# Altium PCB S6.PcbDoc (part 5 of 14) (continued)
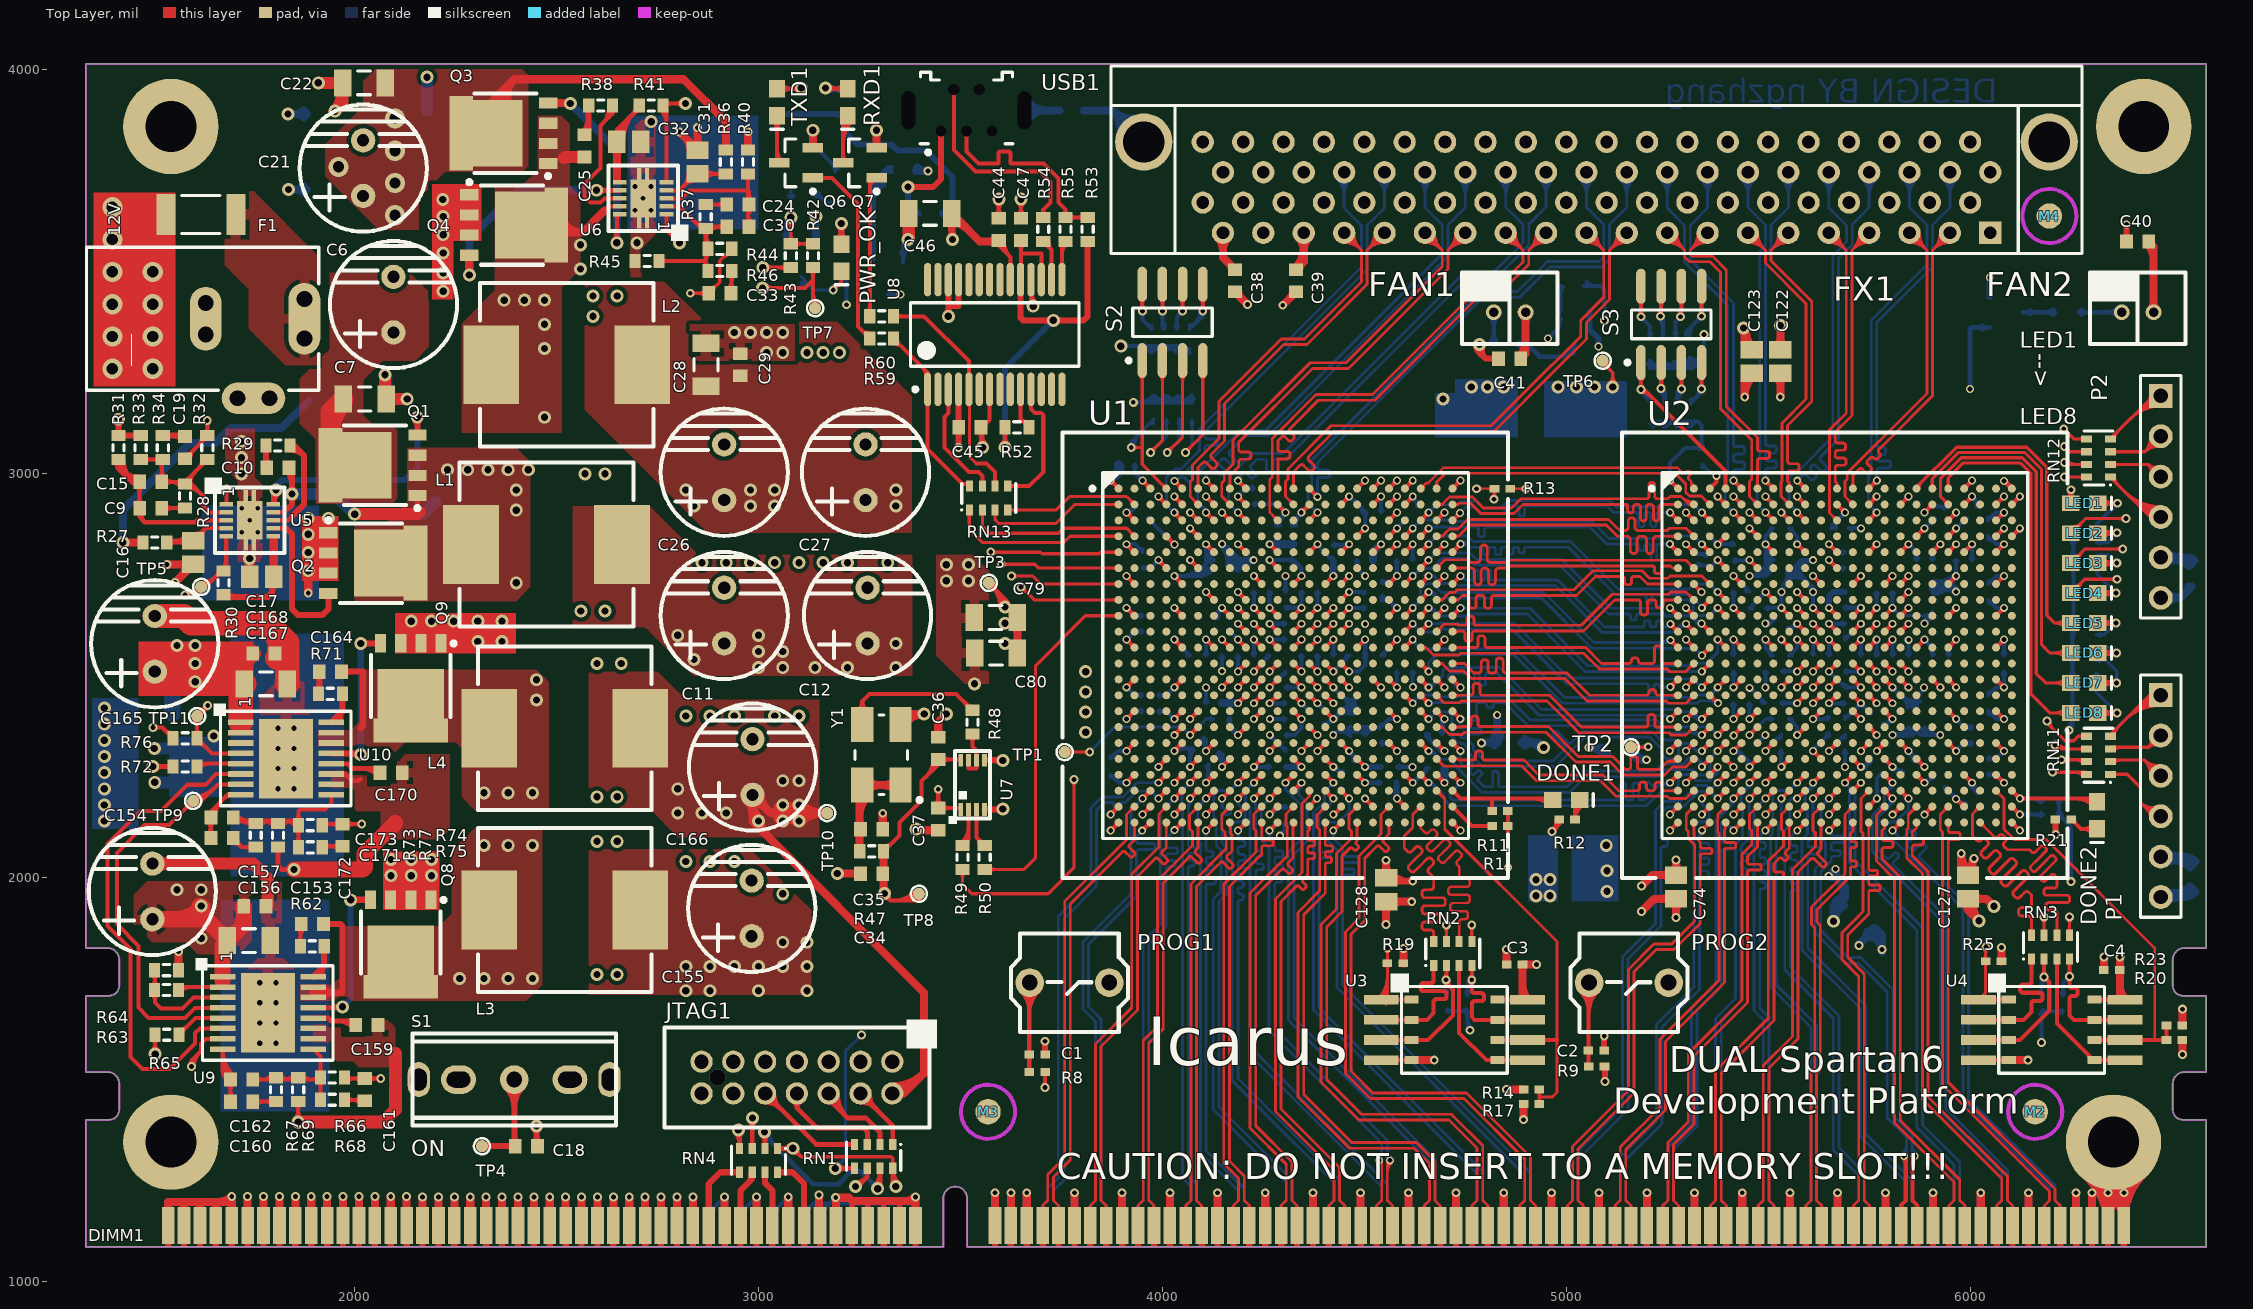
[diagram p0: Top Layer view]
## Nets (pads, with @x,y where several pads share a name; then routed paths per layer and width w, separated by ;. In a path a pad name is that pad's centre, name@x,y a point inside that pad or via, vN(x,y) a via of type N, cw(c..) or ccw(c..) an arc to the next point about the centre after c; other vN are vias at no path point) (continued)
FPGA1_B1_22_N: U1.U22 U2.V3 | length 1033.4
  Top Layer w10: U1.U22@4718.39,2328.62 cw(c4718.39,2316.93) 4726.65,2325.2 cw(c4734.92,2333.46) U1.U22@4723.23,2333.46 ; U1.U22@4718.39,2333.46 v1(4737.85,2314) ; v1@4733.01,2314 ccw(c4721.32,2314) 4729.58,2322.27 ccw(c4737.85,2330.53) v1@4737.85,2318.84 ; v1(5335.67,2274.41) U2.V3@5355.35,2294.09 ; v1@5335.67,2279.25 ccw(c5335.67,2290.94) 5343.94,2282.68 ccw(c5352.2,2274.41) v1@5340.51,2274.41 ; U2.V3@5350.51,2294.09 cw(c5338.82,2294.09) 5347.09,2285.83 cw(c5355.35,2277.56) U2.V3@5355.35,2289.25
  Bottom Layer w7: v1@4733.37,2309.52 cw(c4722.54,2298.69) 4737.85,2298.69 cw(c4753.16,2298.69) v1@4742.34,2309.52 ; v1(4737.85,2314) 4737.85,2284.15 4743.5,2278.5 4744.98,2277.02 ccw(c4748.45,2280.48) 4751.91,2277.02 4759.1,2284.2 cw(c4762.57,2280.74) 4766.03,2284.2 4769,2281.23 cw(c4765.54,2277.77) 4769,2274.3 4761.81,2267.12 ccw(c4765.28,2263.65) 4761.81,2260.19 4764,2258 4765.48,2256.52 ccw(c4768.95,2259.98) 4772.41,2256.52 4779.94,2264.04 cw(c4783.4,2260.57) 4786.87,2264.04 4789.84,2261.07 cw(c4786.37,2257.6) 4789.84,2254.14 4782.31,2246.62 ccw(c4785.78,2243.15) 4782.31,2239.69 4784,2238 4797,2225 4804,2225 4813.1,2225 ccw(c4813.1,2229.9) 4818,2229.9 4818,2258.1 cw(c4822.9,2258.1) 4822.9,2263 4827.1,2263 cw(c4827.1,2258.1) 4832,2258.1 4832,2229.9 ccw(c4836.9,2229.9) 4836.9,2225 4842,2225 5002,2225 5019,2242 5040.82,2263.82 5220.18,2263.82 5237.69,2281.34 5289.8,2281.34 5305.46,2297 5324,2297 ; v1@5329.55,2276.08 ccw(c5308.76,2281.76) 5324,2297 ; v1@5332.53,2279.92 ccw(c5329.44,2285.33) 5335.67,2285.33 ; 5332.53,2288.47 cw(c5322.15,2278.1) v1@5336.3,2274.24 ; v1(5335.67,2274.41) 5335.67,2285.33 ; v1@5338.81,2279.92 cw(c5341.9,2285.33) 5335.67,2285.33 ; 5324,2297 5335.67,2285.33
FPGA1_B1_22_P: U1.U20 U2.U4 | length 1041.8
  Top Layer w10: U1.U20@4639.65,2328.62 cw(c4639.65,2316.93) 4647.91,2325.2 cw(c4656.18,2333.46) U1.U20@4644.49,2333.46 ; U1.U20@4639.65,2333.46 v1(4659.33,2313.78) ; v1@4654.49,2313.78 ccw(c4642.8,2313.78) 4651.06,2322.05 ccw(c4659.33,2330.31) v1@4659.33,2318.62 ; v1(5375.04,2313.78) U2.U4@5394.72,2333.46 ; v1@5375.04,2318.62 ccw(c5375.04,2330.31) 5383.31,2322.05 ccw(c5391.57,2313.78) v1@5379.88,2313.78 ; U2.U4@5389.88,2333.46 cw(c5378.19,2333.46) 5386.46,2325.2 cw(c5394.72,2316.93) U2.U4@5394.72,2328.62
  Bottom Layer w7: v1@4659.33,2307.44 cw(c4659.33,2268.25) 4687.04,2295.96 ; v1(4659.33,2313.78) 4669.22,2313.78 ; v1@4659.33,2314.44 cw(c4659.33,2292.15) 4675.09,2307.91 ; v1@4665.1,2311.13 cw(c4669.22,2309.24) 4669.22,2313.78 ; v1@4665.1,2316.43 ccw(c4669.22,2318.32) 4669.22,2313.78 ; v1@5368.7,2313.78 cw(c5353.38,2313.78) 5364.21,2302.95 cw(c5375.04,2292.12) v1@5375.04,2307.44 ; v1(5375.04,2313.78) 5356.01,2294.75 5356.01,2265.98 5344.1,2254.07 5327.24,2254.07 5313.97,2267.34 5243.49,2267.34 5225.97,2249.82 5046.62,2249.82 5028.9,2232.1 5007.8,2211 4791.2,2211 4774.1,2228.1 4723.85,2278.35 4723.85,2280.51 4711.36,2293 4690,2293 4669.22,2313.78
FPGA1_B1_23_N: U1.V22 U2.Y1 | length 730
  Top Layer w7: U1.V22@4718.39,2294.09 4732,2294.09 ; U1.V22@4723.24,2290.01 cw(c4732,2282.66) 4732,2294.09 ; U1.V22@4723.24,2298.17 ccw(c4732,2305.53) 4732,2294.09 ; U2.Y1@5272.13,2210.87 ccw(c5261.3,2200.04) 5261.3,2215.35 ccw(c5261.3,2230.67) U2.Y1@5272.13,2219.84 ; U2.Y1@5276.61,2215.35 5245,2215.35 5243.3,2215.35 cw(c5243.3,2222.15) 5236.5,2222.15 5236.5,2229.55 ccw(c5229.7,2229.55) 5229.7,2236.35 5226.3,2236.35 ccw(c5226.3,2229.55) 5219.5,2229.55 5219.5,2222.15 cw(c5212.7,2222.15) 5212.7,2215.35 5207,2215.35 5205.3,2215.35 cw(c5205.3,2222.15) 5198.5,2222.15 5198.5,2229.79 ccw(c5191.7,2229.79) 5191.7,2236.59 5188.3,2236.59 ccw(c5188.3,2229.79) 5181.5,2229.79 5181.5,2222.15 cw(c5174.7,2222.15) 5174.7,2215.35 5159,2215.35 5129.65,2215.35 5091,2254 4932,2254 4895,2291 4802,2291 4799.3,2291 cw(c4799.3,2297.8) 4792.5,2297.8 4792.5,2307.06 ccw(c4785.7,2307.06) 4785.7,2313.86 4782.3,2313.86 ccw(c4782.3,2307.06) 4775.5,2307.06 4775.5,2297.8 cw(c4768.7,2297.8) 4768.7,2291 4767,2291 4735.09,2291 4732,2294.09
FPGA1_B1_23_P: U1.V21 U2.Y2 | length 734.8
  Top Layer w7: U1.V21@4679.02,2287.75 cw(c4679.02,2272.44) 4689.84,2283.27 cw(c4700.67,2294.09) U1.V21@4685.36,2294.09 ; U1.V21@4679.02,2294.09 4697.36,2275.75 4759.75,2275.75 4761,2277 4889.2,2277 4926.2,2240 5085.2,2240 5123.85,2201.35 5250,2201.35 5255.35,2196 5296.63,2196 U2.Y2@5315.98,2215.35 ; U2.Y2@5309.64,2215.35 cw(c5294.33,2215.35) 5305.16,2204.53 cw(c5315.98,2193.7) U2.Y2@5315.98,2209.01
FPGA1_B1_24_N: U1.P20 U2.T3 | length 1000.7
  Top Layer w10: U1.P20@4639.65,2446.73 cw(c4639.65,2435.04) 4647.91,2443.31 cw(c4656.18,2451.57) U1.P20@4644.49,2451.57 ; U1.P20@4639.65,2451.57 v1(4659.33,2431.89) ; v1@4654.49,2431.89 ccw(c4642.8,2431.89) 4651.06,2440.16 ccw(c4659.33,2448.42) v1@4659.33,2436.73 ; v1(5335.67,2353.15) U2.T3@5355.35,2372.83 ; v1@5335.67,2357.99 ccw(c5335.67,2369.68) 5343.94,2361.42 ccw(c5352.2,2353.15) v1@5340.51,2353.15 ; U2.T3@5350.51,2372.83 cw(c5338.82,2372.83) 5347.09,2364.57 cw(c5355.35,2356.3) U2.T3@5355.35,2367.99
  Bottom Layer w7: v1(4659.33,2431.89) 4661.44,2434 4753.7,2434 cw(c4753.7,2427.2) 4760.5,2427.2 4760.5,2395.8 ccw(c4767.3,2395.8) 4767.3,2389 4770.7,2389 ccw(c4770.7,2395.8) 4777.5,2395.8 4777.5,2427.2 cw(c4784.3,2427.2) 4784.3,2434 4794,2434 4795.7,2434 cw(c4795.7,2427.2) 4802.5,2427.2 4802.5,2426.8 ccw(c4809.3,2426.8) 4809.3,2420 4812.7,2420 ccw(c4812.7,2426.8) 4819.5,2426.8 4819.5,2427.2 cw(c4826.3,2427.2) 4826.3,2434 4847.2,2434 4905.2,2376 5217,2376 5234,2359 5329.82,2359 v1(5335.67,2353.15) ; v1@4663.82,2427.4 cw(c4679.74,2411.48) 4679.74,2434 ; v1@4663.82,2436.37 ccw(c4669.55,2442.11) 4669.55,2434 ; 5306.23,2359 cw(c5306.23,2323.71) v1@5331.18,2348.66 ; 5323.13,2359 cw(c5323.13,2340.61) v1@5336.13,2353.61
FPGA1_B1_24_P: U1.P19 U2.T4 | length 982.2
  Top Layer w10: U1.P19@4600.28,2446.73 cw(c4600.28,2435.04) 4608.54,2443.31 cw(c4616.81,2451.57) U1.P19@4605.12,2451.57 ; U1.P19@4600.28,2451.57 v1(4619.96,2431.89) ; v1@4615.12,2431.89 ccw(c4603.43,2431.89) 4611.69,2440.16 ccw(c4619.96,2448.42) v1@4619.96,2436.73 ; v1(5375.04,2353.15) U2.T4@5394.72,2372.83 ; v1@5375.04,2357.99 ccw(c5375.04,2369.68) 5383.31,2361.42 ccw(c5391.57,2353.15) v1@5379.88,2353.15 ; U2.T4@5389.88,2372.83 cw(c5378.19,2372.83) 5386.46,2364.57 cw(c5394.72,2356.3) U2.T4@5394.72,2367.99
  Bottom Layer w7: v1(4619.96,2431.89) 4640.3,2452.23 4680.77,2452.23 4685,2448 4853,2448 4911,2390 5222.8,2390 5239.8,2373 5326.75,2373 5327.24,2373.49 5354.7,2373.49 v1(5375.04,2353.15) ; v1@4619.96,2438.23 ccw(c4619.96,2453.54) 4630.79,2442.72 ccw(c4641.62,2431.89) v1@4626.3,2431.89 ; v1@5368.7,2353.15 ccw(c5353.38,2353.15) 5364.21,2363.98 ccw(c5375.04,2374.8) v1@5375.04,2359.49
FPGA1_B1_25_N: U1.W22 U2.W1 | length 1014.1
  Top Layer w10: U1.W22@4718.39,2249.88 cw(c4718.39,2238.19) 4726.65,2246.46 cw(c4734.92,2254.72) U1.W22@4723.23,2254.72 ; U1.W22@4718.39,2254.72 v1(4738.11,2235) ; v1@4733.27,2235 ccw(c4721.58,2235) 4729.84,2243.27 ccw(c4738.11,2251.53) v1@4738.11,2239.84 ; v1(5256.89,2235) U2.W1@5276.61,2254.72 ; v1@5256.89,2239.84 ccw(c5256.89,2251.53) 5265.16,2243.27 ccw(c5273.42,2235) v1@5261.73,2235 ; U2.W1@5271.77,2254.72 cw(c5260.08,2254.72) 5268.35,2246.46 cw(c5276.61,2238.19) U2.W1@5276.61,2249.88
  Bottom Layer w7: v1@4731.77,2235 cw(c4716.46,2235) 4727.28,2224.17 cw(c4738.11,2213.35) v1@4738.11,2228.66 ; v1(4738.11,2235) 4712,2208.89 4712,2199 4719,2192 5120.42,2192 5128.52,2192 ccw(c5128.52,2196.9) 5133.42,2196.9 5133.42,2229.1 cw(c5138.32,2229.1) 5138.32,2234 5142.52,2234 cw(c5142.52,2229.1) 5147.42,2229.1 5147.42,2196.9 ccw(c5152.32,2196.9) 5152.32,2192 5161.42,2192 ; 5152,2192 5160.42,2192 ccw(c5160.42,2196.9) 5165.32,2196.9 5165.32,2229.1 cw(c5170.22,2229.1) 5170.22,2234 5174.42,2234 cw(c5174.42,2229.1) 5179.32,2229.1 5179.32,2196.9 ccw(c5184.22,2196.9) 5184.22,2192 5186.32,2192 ; 5191,2192 5186.32,2192 ; 5244.83,2228.66 ccw(c5244.83,2244.95) v1@5257.4,2234.58 ; v1@5252,2239.04 cw(c5229.98,2257.2) 5229.98,2228.66 ; v1(5256.89,2235) 5250.55,2228.66 5229.98,2228.66 ; 5186.32,2192 5193.32,2192 5201.57,2200.25 5208.01,2206.69 ccw(c5204.54,2210.15) 5208.01,2213.62 5196.55,2225.07 cw(c5200.02,2228.54) 5196.55,2232 5199.52,2234.97 cw(c5202.99,2231.51) 5206.45,2234.97 5217.91,2223.52 ccw(c5221.37,2226.98) 5224.84,2223.52 5226.32,2225 5229.98,2228.66
FPGA1_B1_25_P: U1.W20 U2.W3 | length 1005
  Top Layer w10: U1.W20@4639.65,2249.88 cw(c4639.65,2238.19) 4647.91,2246.46 cw(c4656.18,2254.72) U1.W20@4644.49,2254.72 ; U1.W20@4639.65,2254.72 v1(4659.33,2235.04) ; v1@4654.49,2235.04 ccw(c4642.8,2235.04) 4651.06,2243.31 ccw(c4659.33,2251.57) v1@4659.33,2239.88 ; U2.W3@5355.35,2254.72 5356.25,2254.72 5375,2273.47 v1(5375,2274) ; U2.W3@5355.35,2259.57 ccw(c5355.35,2273.43) 5365.15,2263.63 ; U2.W3@5360.2,2254.72 cw(c5369.72,2254.72) 5362.99,2261.46 ; 5366.36,2264.83 ccw(c5357.19,2274) v1@5370.16,2274 ; 5367.64,2266.11 cw(c5375,2258.74) v1@5375,2269.16
  Bottom Layer w7: v1@4659.33,2228.7 cw(c4659.33,2194.96) 4683.18,2218.82 ; v1(4659.33,2235.04) 4666.96,2235.04 4698,2204 4698,2193.2 4713.2,2178 5120.42,2178 5128.52,2178 5199.12,2178 5235.78,2214.66 5266.66,2214.66 5277.23,2225.23 5277.23,2245.23 5287.34,2255.34 5306.94,2255.34 5322.27,2240.01 5354.07,2240.01 5375,2260.94 ; v1@4659.33,2235.7 cw(c4659.33,2218.86) 4671.23,2230.77 ; v1@5371.08,2269.01 cw(c5364.73,2260.94) 5375,2260.94 ; v1(5375,2274) 5375,2260.94 ; v1@5378.92,2269.01 ccw(c5385.27,2260.94) 5375,2260.94
FPGA1_CLK: R50.1 U1.J1 | length 929.8
  Top Layer w8: R50.1@3560,2020.47 3657.47,2020.47 3686,2049 3686,2525 3809.43,2648.43 U1.J1@3891.61,2648.43 ; R50.1@3570.85,2013.56 cw(c3587.55,1996.86) 3587.55,2020.47 cw(c3587.55,2044.08) R50.1@3570.85,2027.39 ; U1.J1@3887.48,2644.29 ccw(c3877.51,2634.32) 3877.51,2648.43 ccw(c3877.51,2662.53) U1.J1@3887.48,2652.56
FPGA1_CS: R19.2 U1.T5 U3.1 | length 1304.6
  Top Layer w8: U3.1@4536.37,1703.52 ccw(c4485.82,1754.08) 4557.31,1754.08 ; U3.1@4542.03,1697.87 ccw(c4505.13,1734.76) 4557.31,1734.76 ; U3.1@4547.69,1692.21 ccw(c4524.45,1715.45) 4557.31,1715.45 ; v3@4552.05,1821.05 cw(c4539.34,1808.34) 4557.31,1808.34 ; R19.2@4553.18,1783.87 cw(c4543.21,1773.89) 4557.31,1773.89 cw(c4571.42,1773.89) R19.2@4561.45,1783.87 ; R19.2@4553.18,1792.13 ccw(c4543.21,1802.1) 4557.31,1802.1 ccw(c4571.42,1802.1) R19.2@4561.45,1792.13 ; U3.1@4553.34,1686.55 ccw(c4543.76,1696.14) U3.1@4557.31,1696.14 ; U3.1@4557,1698 4557.31,1698.31 R19.2@4557.31,1788 4557.31,1825.69 v3(4557,1826) ; 4557.31,1809.86 cw(c4573.14,1809.86) v3@4561.95,1821.05
  Top Layer w10: v1(4029.56,2352.85) 4029.56,2353.3 U1.T5@4049.09,2372.83 ; v1@4029.56,2357.69 ccw(c4029.56,2368.3) 4037.06,2360.8 ; v1@4034.4,2352.85 cw(c4047.18,2352.85) 4038.14,2361.88 ; U1.T5@4044.25,2372.83 cw(c4032.56,2372.83) 4040.83,2364.57 cw(c4049.09,2356.3) U1.T5@4049.09,2367.99 ; U3.1@4578.21,1693.18 cw(c4589.84,1681.56) 4589.84,1698 cw(c4589.84,1714.44) U3.1@4578.21,1702.82 ; U3.1@4605.57,1694.58 ccw(c4597.31,1686.31) 4597.31,1698 ccw(c4597.31,1709.69) U3.1@4605.57,1701.42
  Mid-Layer 3 w8: v1@4029.56,2347.01 cw(c4029.56,2332.9) 4039.53,2342.88 cw(c4049.51,2352.85) v1@4035.4,2352.85 ; v1(4029.56,2352.85) 4128.41,2254 4246,2254 4306,2194 4306,2126 4321,2111 4321,2062 v3(4557,1826) ; v3@4550,1826 ccw(c4533.1,1826) 4545.05,1837.95 ccw(c4557,1849.9) v3@4557,1833
FPGA1_DQ1: RN2.8 U1.AA20 | length 797.4
  Top Layer w7: U1.AA20@4633.3,2175.98 cw(c4617.99,2175.98) 4628.82,2165.16 cw(c4639.65,2154.33) U1.AA20@4639.65,2169.64 ; U1.AA20@4638.98,2175.98 U1.AA20@4639.65,2175.98 4620,2156.34 4620,2124 4599,2103 4599,2073 4605,2067 4607.12,2064.88 ccw(c4612.07,2069.83) 4617.02,2064.88 4627.48,2075.33 cw(c4632.43,2070.38) 4637.38,2075.33 4641.62,2071.09 cw(c4636.67,2066.14) 4641.62,2061.19 4626.21,2045.79 4610.81,2030.38 ccw(c4615.76,2025.43) 4610.81,2020.48 4615.05,2016.24 ccw(c4620,2021.19) 4624.95,2016.24 4640.36,2031.64 4655.76,2047.05 cw(c4660.71,2042.1) 4665.66,2047.05 4669.9,2042.81 cw(c4664.95,2037.86) 4669.9,2032.91 4659.45,2022.45 ccw(c4664.4,2017.5) 4659.45,2012.55 4668.64,2003.36 4671.76,2000.24 4671.76,1990.24 4671.76,1977.24 cw(c4664.76,1977.24) 4664.76,1970.24 4649.97,1970.24 ccw(c4649.97,1963.24) 4642.97,1963.24 4642.97,1957.24 ccw(c4649.97,1957.24) 4649.97,1950.24 4671.76,1950.24 4693.54,1950.24 cw(c4693.54,1943.24) 4700.54,1943.24 4700.54,1937.24 cw(c4693.54,1937.24) 4693.54,1930.24 4671.76,1930.24 4649.97,1930.24 ccw(c4649.97,1923.24) 4642.97,1923.24 4642.97,1917.24 ccw(c4649.97,1917.24) 4649.97,1910.24 4671.76,1910.24 4678.76,1910.24 cw(c4678.76,1903.24) 4685.76,1903.24 4685.76,1897.24 cw(c4678.76,1897.24) 4678.76,1890.24 4671.76,1890.24 4649.97,1890.24 ccw(c4649.97,1883.24) 4642.97,1883.24 4642.97,1877.24 ccw(c4649.97,1877.24) 4649.97,1870.24 4664.76,1870.24 cw(c4664.76,1863.24) 4671.76,1863.24 4671.76,1855 RN2.8@4671.76,1841.53 ; RN2.8@4667.97,1850.24 ccw(c4658.82,1859.38) 4671.76,1859.38 ccw(c4684.69,1859.38) RN2.8@4675.54,1850.24
FPGA1_DQ2: RN2.7 U1.U14 | length 883.4
  Top Layer w8: v3@4698.05,1878.05 cw(c4685.49,1865.49) 4703.25,1865.49 ; RN2.7@4699.82,1849.88 ccw(c4691.52,1858.18) 4703.25,1858.18 ccw(c4714.98,1858.18) RN2.7@4706.69,1849.88 ; v3(4703,1883) 4703.25,1882.75 RN2.7@4703.25,1841.53 ; 4703.25,1866.71 cw(c4719.29,1866.71) v3@4707.95,1878.05
  Top Layer w10: v1(4383.89,2313.48) 4383.89,2313.93 U1.U14@4403.43,2333.46 ; v1@4383.89,2318.32 ccw(c4383.89,2328.93) 4391.39,2321.43 ; v1@4388.73,2313.48 cw(c4401.51,2313.48) 4392.47,2322.51 ; U1.U14@4398.58,2333.46 cw(c4386.89,2333.46) 4395.16,2325.2 cw(c4403.43,2316.93) U1.U14@4403.43,2328.62
  Mid-Layer 3 w8: v1@4383.89,2307.64 cw(c4383.89,2292.01) 4394.94,2303.06 ; v1@4386,2312 4404,2294 4404,2184 4411.17,2176.83 4479.83,2176.83 4481,2178 4592.5,2066.5 4597.87,2061.13 4600.56,2061.13 4613.28,2073.85 4615.97,2073.85 4626.72,2063.1 4626.72,2060.41 4612.65,2046.35 4598.59,2032.28 4598.59,2029.6 4609.34,2018.85 4612.02,2018.85 4624.74,2031.57 4627.43,2031.57 4633,2026 4703,1956 v3(4703,1883) ; v1@4389.73,2313.48 ccw(c4402.32,2313.48) 4393.42,2304.58 ; v3@4698.05,1887.95 ccw(c4686.1,1899.9) 4703,1899.9 ccw(c4719.9,1899.9) v3@4707.95,1887.95
FPGA1_DQ3: RN2.5 U1.U13 | length 884.2
  Top Layer w8: v3@4761.05,1878.05 cw(c4748.51,1865.51) 4766.24,1865.51 ; RN2.5@4762.81,1849.88 ccw(c4754.52,1858.18) 4766.24,1858.18 ccw(c4777.97,1858.18) RN2.5@4769.68,1849.88 ; v3(4766,1883) 4766.24,1882.76 RN2.5@4766.24,1841.53 ; 4766.24,1866.69 cw(c4782.31,1866.69) v3@4770.95,1878.05
  Top Layer w10: v1(4344.52,2313.48) 4344.52,2313.93 U1.U13@4364.06,2333.46 ; v1@4344.52,2318.32 ccw(c4344.52,2328.93) 4352.02,2321.43 ; v1@4349.36,2313.48 cw(c4362.14,2313.48) 4353.1,2322.51 ; U1.U13@4359.21,2333.46 cw(c4347.52,2333.46) 4355.79,2325.2 cw(c4364.06,2316.93) U1.U13@4364.06,2328.62
  Mid-Layer 3 w8: v1@4344,2314 4364,2334 4404,2334 4484.12,2253.88 4509.66,2253.88 4522,2241.54 4522,2215 4766,1971 v3(4766,1883) ; v1@4344.52,2319.32 ccw(c4344.52,2330.92) 4352.72,2322.72 ; v1@4350.36,2313.48 cw(c4366.98,2313.48) 4355.23,2325.23 ; v3@4761.05,1887.95 ccw(c4749.1,1899.9) 4766,1899.9 ccw(c4782.9,1899.9) v3@4770.95,1887.95
FPGA1_HSWAP: R5.2 U1.A3 | length 149.1
  Top Layer w10: v1@3950.67,2978.23 cw(c3950.67,2966.54) 3958.94,2974.81 cw(c3967.2,2983.07) v1@3955.51,2983.07 ; v1(3950.67,2983.07) U1.A3@3970.35,2963.39 ; U1.A3@3965.51,2963.39 ccw(c3953.82,2963.39) 3962.09,2971.65 ccw(c3970.35,2979.92) U1.A3@3970.35,2968.23
  Bottom Layer w10: R5.2@3928.26,3019.58 cw(c3919.99,3011.31) 3931.69,3011.31 cw(c3943.38,3011.31) R5.2@3935.11,3019.58 ; R5.2@3931.69,3023 3931.69,3002.06 v1(3950.67,2983.07) ; v1@3945.83,2983.07 ccw(c3934.14,2983.07) 3942.4,2991.34 ccw(c3950.67,2999.61) v1@3950.67,2987.91
FPGA1_INIT: R6.2 TP1.1 U1.T6 | length 656.9
  Top Layer w7: TP1.1@3758,2311 v3(3820,2311) ; TP1.1@3766.13,2302.87 cw(c3785.76,2283.24) 3785.76,2311 cw(c3785.76,2338.76) TP1.1@3766.13,2319.13 ; v3@3814.7,2305.7 ccw(c3801.89,2292.89) 3801.89,2311 ccw(c3801.89,2329.11) v3@3814.7,2316.3
  Top Layer w10: v1(4068.78,2353.15) U1.T6@4088.46,2372.83 ; v1@4068.78,2357.99 ccw(c4068.78,2369.68) 4077.05,2361.42 ccw(c4085.31,2353.15) v1@4073.62,2353.15 ; U1.T6@4083.62,2372.83 cw(c4071.93,2372.83) 4080.2,2364.57 cw(c4088.46,2356.3) U1.T6@4088.46,2367.99
  Bottom Layer w7: v3(3820,2311) 3882,2373 4048.93,2373 v1(4068.78,2353.15) 4108.63,2393 R6.2@4127.31,2393 ; v3@3820,2318.5 ccw(c3820,2336.61) 3832.8,2323.8 ccw(c3845.61,2311) v3@3827.5,2311 ; v1@4062.44,2353.15 ccw(c4047.12,2353.15) 4057.95,2363.98 ccw(c4068.78,2374.8) 4068.78,2359.49 ccw(c4068.78,2374.8) 4079.61,2363.98 ccw(c4090.43,2353.15) v1@4075.12,2353.15 ; R6.2@4120.86,2388.52 ccw(c4110.03,2377.69) 4110.03,2393 ccw(c4110.03,2408.31) R6.2@4120.86,2397.48
FPGA1_LED1: LED1.1 U1.A16 | length 2111.8
  Top Layer w8: LED1.1@6239.5,2939.05 ccw(c6221.68,2960.46) v3(6249.54,2960.46) ; v3@6243.93,2956.27 cw(c6234.84,2949.47) 6245.8,2946.54 cw(c6256.77,2943.6) v3@6252.29,2954.03 ; v3@6244.59,2955.51 cw(c6232.64,2943.57) 6249.54,2943.57 cw(c6266.44,2943.57) v3@6254.49,2955.51 ; v3@6246.78,2954.03 cw(c6242.3,2943.6) 6253.27,2946.54 cw(c6264.23,2949.47) v3@6255.14,2956.27 ; LED1.1@6249.54,2927 v3(6249.54,2960.46) ; LED1.1@6259.57,2939.05 cw(c6277.39,2960.46) v3(6249.54,2960.46)
  Top Layer w10: U1.A16@4482.17,2963.39 v1(4501.85,2983.07) ; U1.A16@4482.17,2968.23 ccw(c4482.17,2979.92) 4490.43,2971.65 ccw(c4498.7,2963.39) U1.A16@4487.01,2963.39 ; v1@4497.01,2983.07 cw(c4485.32,2983.07) 4493.58,2974.81 cw(c4501.85,2966.54) v1@4501.85,2978.23
  Mid-Layer 3 w8: v1@4497.72,2987.2 ccw(c4487.75,2997.18) 4501.85,2997.18 ccw(c4515.96,2997.18) v1@4505.98,2987.2 ; v1(4501.85,2983.07) 4501.85,3027.85 4548,3074 6126.37,3074 6143.18,3057.18 6143.18,3054.53 6237.25,2960.46 ; v3@6243.51,2956.9 ccw(c6237.25,2953.19) 6237.25,2960.46 ; v3@6243.51,2964.03 cw(c6237.25,2967.74) 6237.25,2960.46 ; v3(6249.54,2960.46) 6237.25,2960.46
FPGA1_LED2: LED2.1 U1.A17 | length 2332.6
  Top Layer w8: LED2.1@6249.54,2852.86 6285.68,2889 v3(6386,2889) ; LED2.1@6251.5,2868.54 ccw(c6251.5,2901.66) 6274.92,2878.24 ; LED2.1@6259.19,2852.86 cw(c6282.49,2852.86) LED2.1@6266.02,2869.34 ; LED2.1@6267.19,2852.86 cw(c6309.81,2852.86) 6279.67,2882.99 ; v3@6381.05,2884.05 ccw(c6369.1,2872.1) 6369.1,2889 ccw(c6369.1,2905.9) v3@6381.05,2893.95
  Top Layer w10: U1.A17@4521.54,2963.39 v1(4541.22,2983.07) ; U1.A17@4521.54,2968.23 ccw(c4521.54,2979.92) 4529.8,2971.65 ccw(c4538.07,2963.39) U1.A17@4526.38,2963.39 ; v1@4536.38,2983.07 cw(c4524.69,2983.07) 4532.95,2974.81 cw(c4541.22,2966.54) v1@4541.22,2978.23
  Mid-Layer 3 w8: v1@4537.09,2987.2 ccw(c4527.12,2997.18) 4541.22,2997.18 ccw(c4555.33,2997.18) v1@4545.35,2987.2 ; v1(4541.22,2983.07) 4541.22,3016.22 4581,3056 6118.91,3056 6285.91,2889 v3(6386,2889) ; v3@6381.05,2884.05 ccw(c6369.1,2872.1) 6369.1,2889 ccw(c6369.1,2905.9) v3@6381.05,2893.95
FPGA1_LED3: LED3.1 U1.B18 | length 2376.3
  Top Layer w8: LED3.1@6249.54,2778.71 6284.82,2814 v3(6378,2814) ; LED3.1@6251.5,2794.4 ccw(c6251.5,2827.51) 6274.92,2804.1 ; LED3.1@6259.19,2778.71 cw(c6282.49,2778.71) LED3.1@6266.02,2795.19 ; LED3.1@6267.19,2778.71 cw(c6309.81,2778.71) 6279.67,2808.85 ; v3@6373.05,2809.05 ccw(c6361.1,2797.1) 6361.1,2814 ccw(c6361.1,2830.9) v3@6373.05,2818.95
  Top Layer w10: U1.B18@4560.91,2924.02 v1(4580.59,2943.7) ; U1.B18@4560.91,2928.86 ccw(c4560.91,2940.55) 4569.17,2932.28 ccw(c4577.44,2924.02) U1.B18@4565.75,2924.02 ; v1@4575.75,2943.7 cw(c4564.06,2943.7) 4572.32,2935.44 cw(c4580.59,2927.17) v1@4580.59,2938.86
  Mid-Layer 3 w8: v1@4574.75,2943.7 ccw(c4560.64,2943.7) 4570.62,2953.68 ccw(c4580.59,2963.65) v1@4580.59,2949.54 ; v1(4580.59,2943.7) 4560.06,2964.23 4560.06,2990.94 4560,2991 4560,2995 4603,3038 6111.46,3038 6247,2902.46 6247,2856 6289,2814 v3(6378,2814) ; v3@6373.05,2809.05 ccw(c6361.1,2797.1) 6361.1,2814 ccw(c6361.1,2830.9) v3@6373.05,2818.95
FPGA1_LED4: LED4.1 U1.A18 | length 2347.2
  Top Layer w8: LED4.1@6249.54,2704.57 6283.96,2739 v3(6364,2739) ; LED4.1@6251.5,2720.26 ccw(c6251.5,2753.37) 6274.92,2729.96 ; LED4.1@6259.19,2704.57 cw(c6282.49,2704.57) LED4.1@6266.02,2721.05 ; LED4.1@6267.19,2704.57 cw(c6309.81,2704.57) 6279.67,2734.71 ; v3@6359.05,2734.05 ccw(c6347.1,2722.1) 6347.1,2739 ccw(c6347.1,2755.9) v3@6359.05,2743.95
  Top Layer w10: U1.A18@4560.91,2963.39 v1(4580.59,2983.07) ; U1.A18@4560.91,2968.23 ccw(c4560.91,2979.92) 4569.17,2971.65 ccw(c4577.44,2963.39) U1.A18@4565.75,2963.39 ; v1@4575.75,2983.07 cw(c4564.06,2983.07) 4572.32,2974.81 cw(c4580.59,2966.54) v1@4580.59,2978.23
  Mid-Layer 3 w8: v1(4580.59,2983.07) 4617.52,3020 6104,3020 ; v1@4580.59,2988.91 ccw(c4580.59,3003.02) 4590.57,2993.05 ccw(c4600.54,2983.07) v1@4586.43,2983.07 ; 6105,3019 6104,3020 ; v3@6359.05,2734.05 ccw(c6347.1,2722.1) 6347.1,2739 ccw(c6347.1,2755.9) v3@6359.05,2743.95 ; v3(6364,2739) 6246,2739 6229,2756 6229,2900 6109,3020 6104,3020
FPGA1_M0: R1.2 U1.AA22 | length 154.5
  Top Layer w10: U1.AA22@4718.39,2171.14 cw(c4718.39,2159.45) 4726.65,2167.72 cw(c4734.92,2175.98) U1.AA22@4723.23,2175.98 ; U1.AA22@4718.39,2175.98 4766.37,2128 R1.2@4816.31,2128 ; R1.2@4810.92,2124.58 ccw(c4802.66,2116.31) 4802.66,2128 ccw(c4802.66,2139.69) R1.2@4810.92,2131.42
FPGA1_M1: R2.2 U1.U15 | length 158.7
  Top Layer w10: U1.U15@4442.8,2328.62 cw(c4442.8,2316.93) 4451.06,2325.2 cw(c4459.33,2333.46) U1.U15@4447.64,2333.46 ; U1.U15@4442.8,2333.46 v1(4462.48,2313.78) ; v1@4457.64,2313.78 ccw(c4445.95,2313.78) 4454.21,2322.05 ccw(c4462.48,2330.31) v1@4462.48,2318.62
  Bottom Layer w10: v1@4461.23,2309.1 cw(c4457.73,2296.05) 4469.43,2302.81 ; v1@4462.48,2308.94 cw(c4462.48,2297.25) 4470.75,2305.51 cw(c4479.01,2313.78) v1@4467.32,2313.78 ; v1(4462.48,2313.78) 4476.92,2299.34 R2.2@4476.92,2287.92 ; v1@4463.94,2312.32 cw(c4440.93,2289.31) R2.2@4473.47,2289.31 ; v1@4467.16,2312.53 ccw(c4476.69,2309.97) 4468.14,2305.03
FPGA1_SCK: R14.2 R17.1 U1.Y21 U3.6 | length 1194.5
  Top Layer w7: U1.Y21@4679.02,2209.01 cw(c4679.02,2193.7) 4689.84,2204.53 cw(c4700.67,2215.35) U1.Y21@4685.36,2215.35 ; U1.Y21@4679.02,2215.35 4699,2195.37 4699,2120 4977,1842 4977,1598
  Top Layer w8: 4934,1457 4966,1457 4977,1468 4977,1598
  Top Layer w10: U3.6@4840.43,1594.58 cw(c4848.69,1586.31) 4848.69,1598 cw(c4848.69,1609.69) U3.6@4840.43,1601.42 ; U3.6@4867.79,1593.18 ccw(c4856.16,1581.56) 4856.16,1598 ccw(c4856.16,1614.44) U3.6@4867.79,1602.82 ; U3.6@4904.1,1598 4977,1598 ; R17.1@4930.26,1442.42 ccw(c4921.99,1450.69) 4933.69,1450.69 ccw(c4945.38,1450.69) R17.1@4937.11,1442.42 ; R17.1@4933.69,1439 R14.2@4933.69,1475 4934,1474.69 4934,1457 ; 4934,1462.55 ccw(c4921.23,1462.55) 4930.26,1471.58 cw(c4921.99,1463.31) 4933.69,1463.31 cw(c4945.38,1463.31) 4937.11,1471.58 ccw(c4944.62,1464.07) 4934,1464.07 ; U3.6@4940.41,1593.18 cw(c4952.04,1581.56) 4952.04,1598 cw(c4952.04,1614.44) U3.6@4940.41,1602.82
FPGA1_SDI: RN2.6 U1.AB20 | length 795.7
  Top Layer w6: U1.AB20@4635.36,2131.28 cw(c4628.21,2122.35) 4639.65,2122.35 ; U1.AB20@4639.65,2136.61 4639.65,2122.35 ; U1.AB20@4643.93,2131.28 ccw(c4651.08,2122.35) 4639.65,2122.35 ; RN2.6@4730.61,1850.59 ccw(c4720.61,1860.59) 4734.75,1860.59 ccw(c4748.89,1860.59) RN2.6@4738.89,1850.59 ; RN2.6@4734.75,1841.53 4734.75,1890.25 cw(c4741.75,1890.25) 4741.75,1897.25 4749.51,1897.25 ccw(c4749.51,1904.25) 4756.51,1904.25 4756.51,1910.25 ccw(c4749.51,1910.25) 4749.51,1917.25 4734.75,1917.25 4719.58,1917.25 cw(c4719.58,1924.25) 4712.58,1924.25 4712.58,1930.25 cw(c4719.58,1930.25) 4719.58,1937.25 4734.75,1937.25 4754.23,1937.25 ccw(c4754.23,1944.25) 4761.23,1944.25 4761.23,1950.25 ccw(c4754.23,1950.25) 4754.23,1957.25 4734.75,1957.25 4715.27,1957.25 cw(c4715.27,1964.25) 4708.27,1964.25 4708.27,1970.25 cw(c4715.27,1970.25) 4715.27,1977.25 4734.75,1977.25 4754.23,1977.25 ccw(c4754.23,1984.25) 4761.23,1984.25 4761.23,1990.25 ccw(c4754.23,1990.25) 4754.23,1997.25 4741.75,1997.25 cw(c4741.75,2004.25) 4734.75,2004.25 4734.75,2017.25 4734.75,2027.25 4730.23,2031.77 cw(c4735.18,2036.72) 4730.23,2041.67 4739.06,2050.49 ccw(c4734.11,2055.44) 4739.06,2060.39 4734.81,2064.64 ccw(c4729.86,2059.69) 4724.91,2064.64 4711.14,2050.86 4699.06,2038.78 cw(c4694.11,2043.73) 4689.16,2038.78 4684.92,2043.02 cw(c4689.87,2047.97) 4684.92,2052.92 4697,2065 4710.77,2078.78 ccw(c4705.82,2083.73) 4710.77,2088.68 4706.53,2092.92 ccw(c4701.58,2087.97) 4696.63,2092.92 4682.86,2079.14 4670.78,2067.07 cw(c4665.83,2072.02) 4660.88,2067.07 4656.63,2071.31 cw(c4661.58,2076.26) 4656.63,2081.21 4668.71,2093.29 4678.49,2103.06 ccw(c4673.54,2108.01) 4678.49,2112.96 4674.24,2117.2 ccw(c4669.29,2112.25) 4664.34,2117.2 4659.52,2112.38 cw(c4654.57,2117.33) 4649.62,2112.38 4647.5,2114.5 4639.65,2122.35
FPGA1_SW1: RN6.8 S2.1 U1.A4 | length 647.7
  Top Layer w8: v3(3923,3065) 3950,3065 ; v3@3927.95,3060.05 cw(c3939.9,3048.1) 3939.9,3065 cw(c3939.9,3081.9) v3@3927.95,3069.95 ; S2.1@3944.48,3243.49 cw(c3931.14,3230.16) 3950,3230.16 cw(c3968.86,3230.16) S2.1@3955.52,3243.49 ; S2.1@3950,3280.51 3950,3065 ; U1.A4@4003.88,2963.39 ccw(c3989.78,2963.39) 3999.75,2973.36 ccw(c4009.72,2983.33) U1.A4@4009.72,2969.23 ; U1.A4@4009.72,2963.39 3950,3023.11 3950,3065
  Bottom Layer w8: v3@3918.58,3070.43 ccw(c3911.03,3079.72) 3923,3079.72 ; v3@3922,3065 cw(c3955.11,3065) 3931.7,3088.42 ; v3(3923,3065) 3923,3079.72 ; v3@3927.42,3070.43 cw(c3934.97,3079.72) 3923,3079.72 ; v3@3930,3065 cw(c3982.43,3065) 3945.36,3102.07 ; 3962.06,3118.78 cw(c3978.76,3102.08) RN6.8@3978.76,3125.69 ; RN6.8@3978.76,3135.47 3923,3079.72
FPGA1_SW2: RN6.7 S2.2 U1.D6 | length 860.5
  Top Layer w8: v3(3971,3053) 4000,3082 S2.2@4000,3280.51 ; v3@3971,3060 ccw(c3971,3076.9) 3982.95,3064.95 ccw(c3994.9,3053) v3@3978,3053 ; S2.2@3994.48,3243.49 cw(c3981.14,3230.16) 4000,3230.16 cw(c4018.86,3230.16) S2.2@4005.52,3243.49
  Top Layer w10: v1@4068.78,2860.12 cw(c4068.78,2848.43) 4077.05,2856.7 cw(c4085.31,2864.96) v1@4073.62,2864.96 ; v1(4068.78,2864.96) U1.D6@4088.46,2845.28 ; U1.D6@4083.62,2845.28 ccw(c4071.93,2845.28) 4080.2,2853.54 ccw(c4088.46,2861.81) U1.D6@4088.46,2850.12
  Mid-Layer 3 w8: v3@3964,3053 cw(c3947.1,3053) 3959.05,3041.05 cw(c3971,3029.1) v3@3971,3046 ; v3(3971,3053) 3931,3013 3931,2924 3990.04,2864.96 v1(4068.78,2864.96) ; v1@4064.65,2860.83 ccw(c4054.67,2850.86) 4054.67,2864.96 ccw(c4054.67,2879.07) v1@4064.65,2869.09
  Bottom Layer w8: v3(3971,3053) 4010.25,3092.25 RN6.7@4010.25,3135.47 ; v3@3971,3060 ccw(c3971,3076.9) 3982.95,3064.95 ccw(c3994.9,3053) v3@3978,3053 ; RN6.7@4006.82,3127.12 cw(c3998.52,3118.82) 4010.25,3118.82 cw(c4021.98,3118.82) RN6.7@4013.69,3127.12